# Altium PCB Titanium_v1.0.pcbdoc
Units mm, origin at the board's own origin, x right, y up, seen from the top; angles counter-clockwise.
Board outline 60.05 x 90.05 mm, 2 copper layers (Top Layer, Bottom Layer); 75 components, 82 nets, 379 pads, 0 vias.
Unrouted connection lines stored in the file: 165.
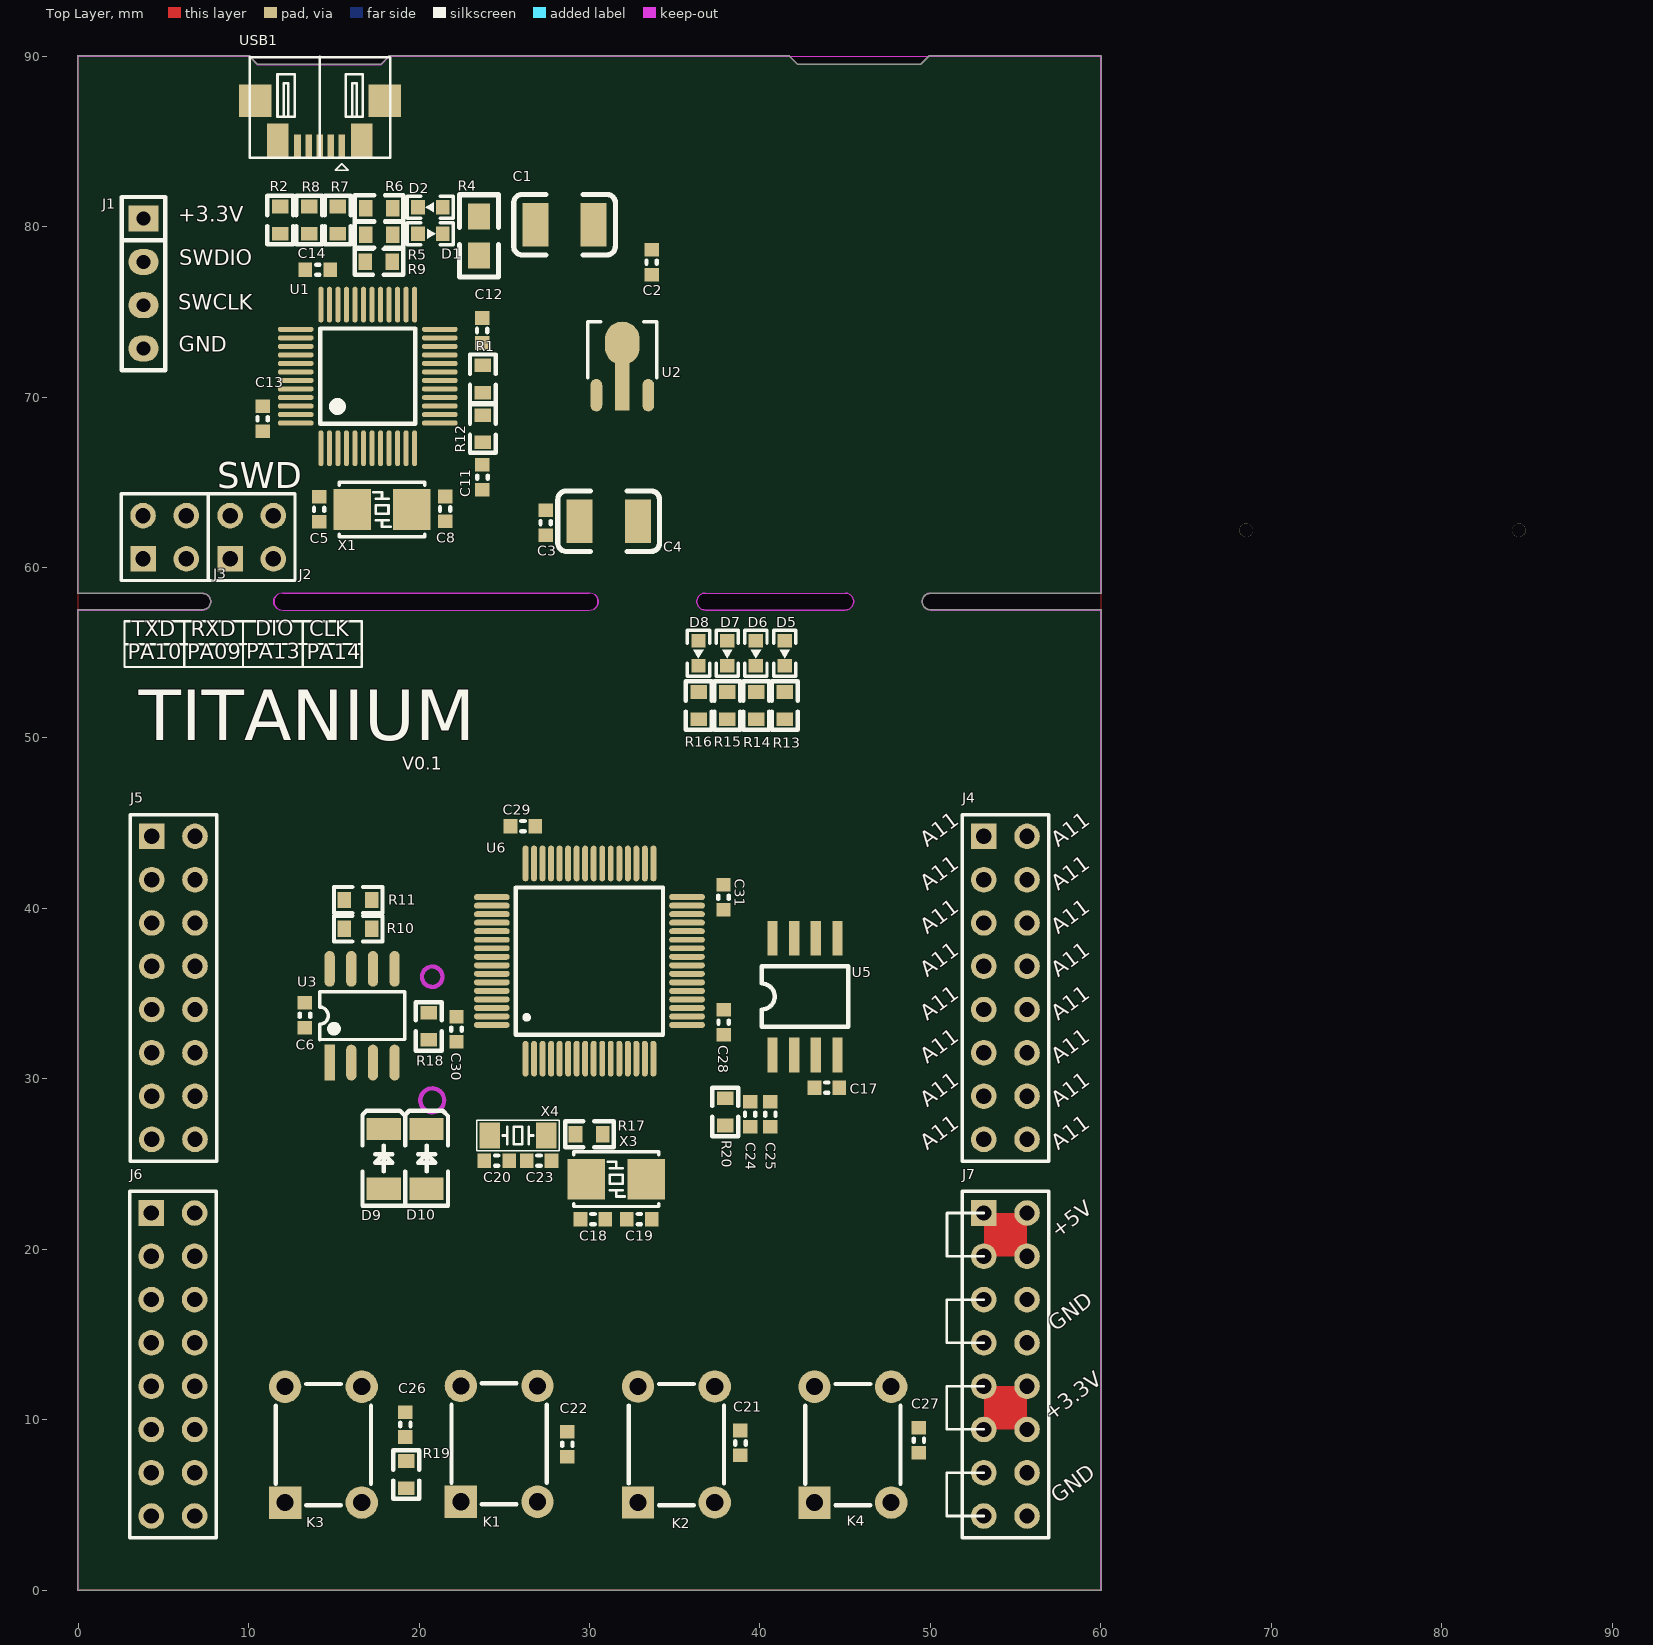
[diagram p0: Top Layer view]
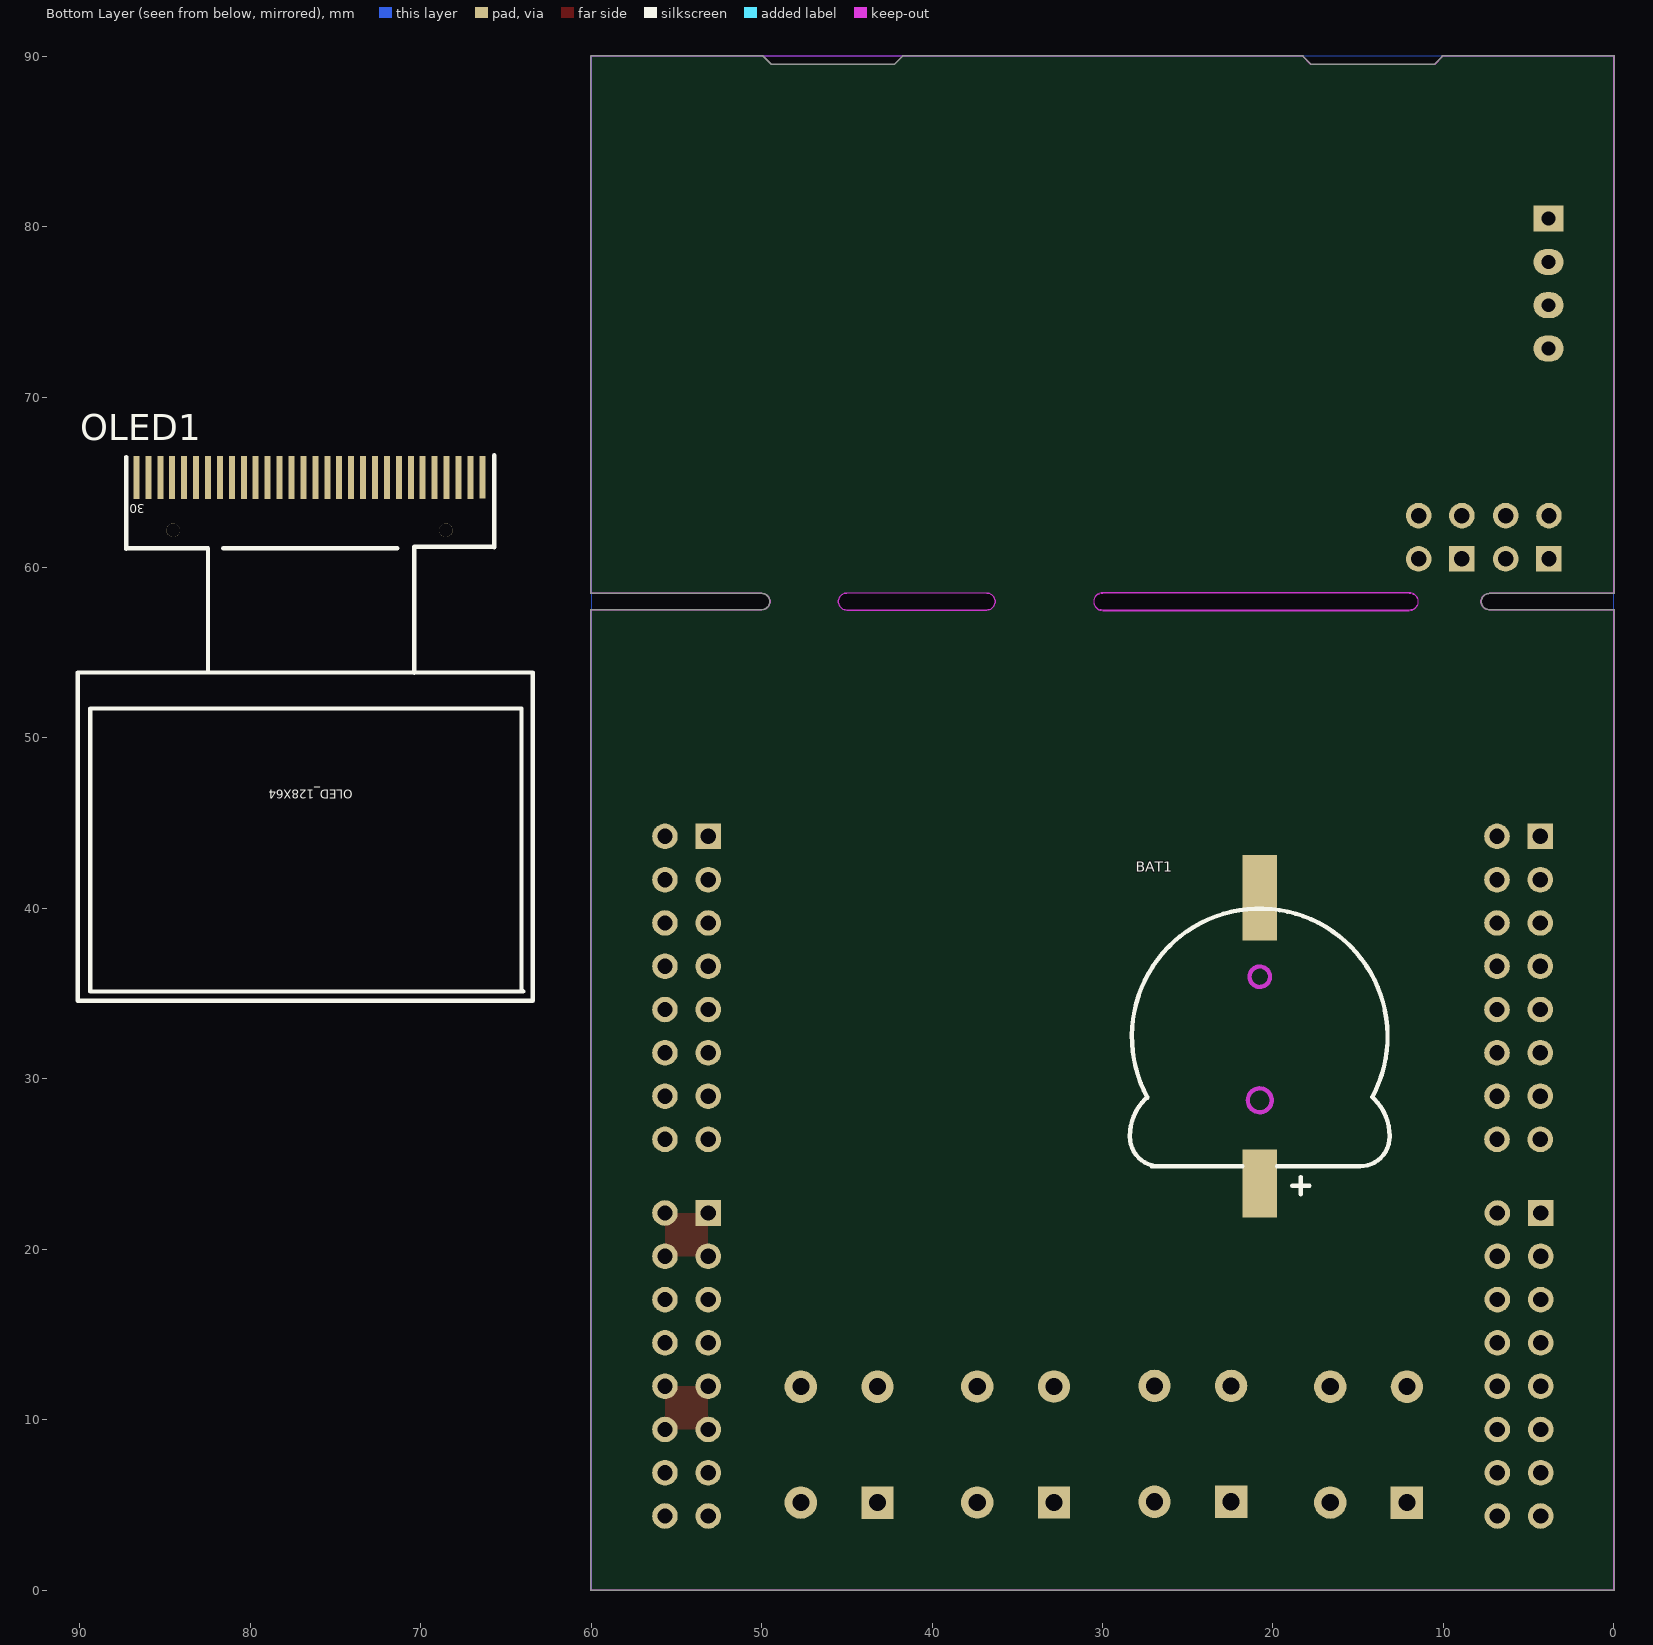
[diagram p1: Bottom Layer view, seen from below]

## Layer stack, top to bottom
Top Solder: solder mask 0.0254, SM-001, Dk 4
Top Layer: signal copper 0.0356
Dielectric 1: dielectric 0.32, FR-4, Dk 4.8
Bottom Layer: signal copper 0.0356
Bottom Solder: solder mask 0.0254, SM-001, Dk 4

## Board outline
-0.026,0 -0.026,57.498 cw(c0,57.498) 0,57.523 7.298,57.523 cw(c7.3,57.498) 7.3,57.523 ccw(c7.3,57.998) 7.774,57.998 ccw(c7.3,57.998) 7.3,58.472 cw(c7.3,58.498) 7.298,58.472 0,58.472 cw(c0,58.498) -0.026,58.498 -0.026,90 cw(c0,90) 0,90.026 10.058,90.026 cw(c10.058,90) 10.084,90 10.084,89.968 10.526,89.526 17.769,89.526 18.237,89.993 18.237,90 cw(c18.263,90) 18.263,90.026 41.689,90.026 cw(c41.689,90) 41.698,90.024 cw(c41.707,90) 41.733,90 41.733,89.993 42.2,89.526 49.443,89.526 49.936,90.018 ccw(c49.954,90) 49.935,90.018 49.936,90.018 cw(c49.954,90) 49.954,90.026 60,90.026 cw(c60,90) 60.026,90 60.026,58.5 cw(c60,58.5) 60,58.474 50.002,58.474 cw(c50,58.5) 50,58.474 ccw(c50,58) 50,57.526 cw(c50,57.5) 50.002,57.526 60,57.526 cw(c60,57.5) 60.026,57.5 60.026,0 cw(c60,0) 60,-0.026 0,-0.026 cw(c0,0)
cut-out: 36.805,57.5 cw(c36.805,58) 36.805,58.5 45,58.5 cw(c45,58) 45,57.5
cut-out: 12,57.472 cw(c12,57.998) 12,58.523 cw(c12,58.498) 12.002,58.523 13.35,58.523 cw(c13.36,58.5) 13.371,58.523 29.998,58.523 cw(c30,58.498) 30,58.523 cw(c30,57.998) 30.526,57.998 cw(c30,57.998) 30,57.472 cw(c30,57.498) 29.998,57.472 12.002,57.472 cw(c12,57.498)

## Design rules (kind name [scope] priority, off if disabled: settings)
Clearance Clearance_1 [InPolygon] p1: gap=0.152 ignorepadtopadclearanceinfootprint=FALSE except(0: Arc-Hole Track-Hole SMDPad-Hole THPad-Hole Via-Hole Fill-Hole Poly-Hole Region-Hole Text-Hole)
Clearance [All] p2: gap=0.102 ignorepadtopadclearanceinfootprint=FALSE except(0: Arc-Hole Track-Hole SMDPad-Hole THPad-Hole Via-Hole Fill-Hole Poly-Hole Region-Hole Text-Hole)
PolygonConnect PolygonConnect_1 [All vs IsVia and InNet('GND')] p1: connectstyle=Direct reliefconductorwidth=0.254 reliefentries=4 polygonreliefangle="90 Angle" airgapwidth=0.254
PolygonConnect [All] p2: connectstyle=Relief reliefconductorwidth=0.254 reliefentries=4 polygonreliefangle="90 Angle" airgapwidth=0.254
RoutingVias [All] p1: holewidth=0.711 width=1.27 viastyle="Through Hole" minholewidth=0.711 minwidth=1.27 maxholewidth=0.711 maxwidth=1.27
SolderMaskExpansion [All] p1: expansion=0.102 istentingtop=FALSE
Width [All] p1: maxlimit=2.54 minlimit=0.152 preferedwidth=0.254
30 further rules are at their usual default settings.

## Components (designator, comment, footprint, x,y, rotation, side; value= is the part's Value field where it differs from the comment)
BAT1 "CR1220" CR1220-A 20.777,23.851 r270 bottom locked
C1 "10uF" 1210C 26.822,80.112 r0 top
C2 "104" 0603C 33.706,77.089 r90 top
C3 "104" 0603C 27.375,63.454 r270 top
C4 "10uF" 1210C 29.413,62.713 r0 top
C5 "22pF" 0603C 14.199,62.586 r90 top
C6 "104" 0603C 13.367,32.901 r90 top
C8 "22pF" 0603C 21.59,62.611 r90 top
C11 "104" 0603C 23.667,66.121 r270 top
C12 "104" 0603C 23.647,74.727 r270 top
C13 "104" 0603C 10.877,67.902 r90 top
C14 "104" 0603C 13.241,77.413 r0 top
C17 "104" 0603C 44.755,29.54 r180 top
C18 "22pF" 0603C 31.031,21.825 r180 top
C19 "22pF" 0603C 32.101,21.711 r0 top
C20 "12pF" 0603C 25.379,25.254 r180 top
C21 "104" 0603C 38.919,7.805 r90 top
C22 "104" 0603C 28.759,7.729 r90 top
C23 "12pF" 0603C 26.22,25.14 r0 top
C24 "10uF" 0603C 39.483,27.092 r90 top
C25 "104" 0603C 40.676,27.092 r90 top
C26 "104" 0603C 19.145,10.533 r270 top
C27 "104" 0603C 49.384,7.971 r90 top
C28 "104" 0603C 37.928,32.494 r90 top
C29 "104" 0603C 26.924,44.882 r180 top
C30 "104" 0603C 22.143,33.736 r270 top
C31 "104" 0603C 37.922,39.827 r90 top
D1 "LED" LED-0603B 19.939,79.578 r0 top
D2 "LED" LED-0603B 21.399,81.128 r180 top
D5 "LED" LED-0603B 41.453,55.691 r270 top
D6 "LED" LED-0603B 39.768,55.691 r270 top
D7 "LED" LED-0603B 38.083,55.691 r270 top
D8 "LED" LED-0603B 36.398,55.691 r270 top
D9 "DIODE" LL34 17.932,23.546 r90 top
D10 "DIODE" LL34 20.447,23.546 r90 top
J1 "Pin HDR1X4" "Pin HDR1X4/2.54mm-S" 3.835,80.467 r0 top
J2 "Pin HDR2X2" "Pin HDR2X2/2.54mm-S" 8.915,60.503 r0 top
J3 "Pin HDR2X2" "Pin HDR2X2/2.54mm-S" 3.808,60.503 r0 top
J4 "Pin HDR2X8" "Pin HDR2X8/2.54mm-S" 53.137,44.221 r270 top locked
J5 "Pin HDR2X8" "Pin HDR2X8/2.54mm-S" 4.318,44.221 r270 top locked
J6 "Pin HDR2X8" "Pin HDR2X8/2.54mm-S" 4.293,22.123 r270 top locked
J7 "Pin HDR2X8" "Pin HDR2X8/2.54mm-S" 53.137,22.123 r270 top locked
K1 "KEY" DIP-6X6X5 22.454,5.182 r90 top
K2 "KEY" DIP-6X6X5 32.851,5.138 r90 top
K3 "KEY" DIP-6X6X5 12.141,5.131 r90 top
K4 "KEY" DIP-6X6X5 43.205,5.131 r90 top
OLED1 "QG-2864KLBEG01" OLED-SMD_QG-2864XXX 76.531,65.279 r0 bottom
R1 "1K" 0603R 23.749,71.856 r270 top
R2 "1.5K" 0603R 11.862,81.178 r270 top
R4 "MSMD200-8V 2A" 0805R 23.52,80.594 r270 top
R5 "510" 0603R 16.866,79.527 r0 top
R6 "510" 0603R 16.866,81.077 r0 top
R7 "22" 0603R 15.24,81.178 r270 top
R8 "22" 0603R 13.564,81.178 r270 top
R9 "120" 0603R 18.44,77.927 r180 top
R10 "4.7k" 0603R 17.221,38.811 r180 top
R11 "4.7k" 0603R 17.221,40.488 r180 top
R12 "1K" 0603R 23.749,68.936 r270 top
R13 "510" 0603R 41.465,52.693 r270 top
R14 "510" 0603R 39.78,52.694 r270 top
R15 "510" 0603R 38.095,52.693 r270 top
R16 "510" 0603R 36.41,52.694 r270 top
R17 "1M" 0603R 30.785,26.746 r180 top
R18 "0R" 0603R 20.574,32.283 r90 top
R19 "10K" 0603R 19.253,7.569 r270 top
R20 "10R" 0603R 37.973,27.254 r90 top
U1 "STM32F103C8" "LQFP48 7X7" 16.993,71.222 r0 top locked
U2 "AMS1117-3V3" SOT89 31.928,70.104 r0 top
U3 "AT24C02" SOP8 14.757,30.949 r90 top
U5 "W25Q128" SOIC8 40.742,31.394 r90 top
U6 "STM32F103RCT6" "LQFP64 10x10" 30,36.906 r0 top locked
USB1 "Micro-USB" USB-MICRO_A 15.469,84.709 r180 top locked
X1 "8MHz" "OSC 5032-2P" 17.831,63.398 r180 top
X3 "8MHz" "OSC 5032-2P" 31.572,24.105 r180 top
X4 "32.768KHz" "OSC 3215-2P" 25.806,26.67 r0 top

## Footprints (in the part's own frame and the unit in brackets; to place one, negate y for a bottom-side part, rotate by r counter-clockwise, add the part's x,y. Pads: shape width x height; smd on the part's side, far side on the other; paste and mask are expansions set on the pad)
0603C [mm]
  rect 0.8x0.85 smd: 1(0.094,0.057) 2(1.554,0.057)
  silkscreen extent 0.72,-0.24 0.92,0.36, body extent 0.02,-0.34 1.62,0.46, height 0.38
0603R [mm]
  rect 0.8x0.965 smd: 1(0,0) 2(1.6,0)
  silkscreen extent -0.64,-0.76 2.21,0.76, body extent -0.04,-0.41 1.56,0.41, height 0.45
0805R [mil]
  rect 60x50 smd: 1(0,0) 2(90,0)
  silkscreen extent -50,-45 140,45, body extent 1,-25 80,25, height 15
1210C [mil]
  rect 60x100 smd: 1(0,0) 2(135,0)
  silkscreen extent -50,-70 185,70, body extent -9,-49 149,49, height 67
CR1220-A [mm]
  rect 4x2 smd: 1(0,0)
  rect 5x2 smd: 2(-16.764,0)
  Keep-Out Layer circle w0.254: c-4.886,0 r0.7
  Keep-Out Layer circle w0.254: c-12.136,0 r0.6
  silkscreen extent -16.13,-7.62 0.64,7.62, body extent -18.77,-7.37 0.99,7.53, height 4.05
DIP-6X6X5 [mm]
  rect 1.9x1.9 hole 1: 1(0,0)
  round 1.9 hole 1: 2(0,-4.5) 3(6.8,-4.5) 4(6.8,0)
  silkscreen extent -0.16,-5.04 6.96,0.54, body extent -0.8,-5.24 7.41,0.76, height 4.95
LED-0603B [mm]
  rect 0.8x0.85 smd: A(0,0) K(1.46,0)
  silkscreen extent -0.62,-0.65 2.08,0.65, body extent -0.08,-0.4 1.54,0.4, height 0.6
LL34 [mm] "玻封二极管"
  rect 1.3x2 smd: A(0,0) K(3.5,0)
  silkscreen extent -1,-1.25 4.57,1.25, body extent -0.1,-0.75 3.4,0.75, height 1.5
"LQFP48 7X7" [mm]
  oval 0.3x2.1 smd: 1(-2.75,-4.227) 2(-2.25,-4.227) 3(-1.75,-4.227) 4(-1.25,-4.227) 5(-0.75,-4.227) 6(-0.25,-4.227) 7(0.25,-4.227) 8(0.75,-4.227) 9(1.25,-4.227) 10(1.75,-4.227) 11(2.25,-4.227) 12(2.75,-4.227) 25(2.75,4.202) 26(2.25,4.202) 27(1.75,4.202) 28(1.25,4.202) 29(0.75,4.202) 30(0.25,4.202) 31(-0.25,4.202) 32(-0.75,4.202) 33(-1.25,4.202) 34(-1.75,4.202) 35(-2.25,4.202) 36(-2.75,4.202)
  oval 2.1x0.3 smd: 13(4.227,-2.75) 14(4.227,-2.25) 15(4.227,-1.75) 16(4.227,-1.25) 17(4.227,-0.75) 18(4.227,-0.25) 19(4.227,0.25) 20(4.227,0.75) 21(4.227,1.25) 22(4.227,1.75) 23(4.227,2.25) 24(4.227,2.75) 37(-4.227,2.75) 38(-4.227,2.25) 39(-4.227,1.75) 40(-4.227,1.25) 41(-4.227,0.75) 42(-4.227,0.25) 43(-4.227,-0.25) 44(-4.227,-0.75) 45(-4.227,-1.25) 46(-4.227,-1.75) 47(-4.227,-2.25) 48(-4.227,-2.75)
  silkscreen extent -2.79,-2.79 2.79,2.79, body extent -4.51,-4.5 4.5,4.5, height 1.45
"LQFP64 10x10" [mm]
  oval 0.35x2.1 smd: 1(-3.75,-5.727) 2(-3.25,-5.727) 3(-2.75,-5.727) 4(-2.25,-5.727) 5(-1.75,-5.727) 6(-1.25,-5.727) 7(-0.75,-5.727) 8(-0.25,-5.727) 9(0.25,-5.727) 10(0.75,-5.727) 11(1.25,-5.727) 12(1.75,-5.727) 13(2.25,-5.727) 14(2.75,-5.727) 15(3.25,-5.727) 16(3.75,-5.727) 33(3.75,5.727) 34(3.25,5.727) 35(2.75,5.727) 36(2.25,5.727) 37(1.75,5.727) 38(1.25,5.727) 39(0.75,5.727) 40(0.25,5.727) 41(-0.25,5.727) 42(-0.75,5.727) 43(-1.25,5.727) 44(-1.75,5.727) 45(-2.25,5.727) 46(-2.75,5.727) 47(-3.25,5.727) 48(-3.75,5.727)
  oval 2.1x0.35 smd: 17(5.727,-3.75) 18(5.727,-3.25) 19(5.727,-2.75) 20(5.727,-2.25) 21(5.727,-1.75) 22(5.727,-1.25) 23(5.727,-0.75) 24(5.727,-0.25) 25(5.727,0.25) 26(5.727,0.75) 27(5.727,1.25) 28(5.727,1.75) 29(5.727,2.25) 30(5.727,2.75) 31(5.727,3.25) 32(5.727,3.75) 49(-5.727,3.75) 50(-5.727,3.25) 51(-5.727,2.75) 52(-5.727,2.25) 53(-5.727,1.75) 54(-5.727,1.25) 55(-5.727,0.75) 56(-5.727,0.25) 57(-5.727,-0.25) 58(-5.727,-0.75) 59(-5.727,-1.25) 60(-5.727,-1.75) 61(-5.727,-2.25) 62(-5.727,-2.75) 63(-5.727,-3.25) 64(-5.727,-3.75)
  silkscreen extent -4.32,-4.32 4.32,4.32, body extent -6,-5.99 6,6.02, height 1.45
OLED-SMD_QG-2864XXX [mm]
  rect 0.351x2.499 smd: 1(-10.149,-0.002) 2(-9.444,0) 3(-8.744,0) 4(-8.044,0) 5(-7.344,0) 6(-6.644,0) 7(-5.944,0) 8(-5.244,0) 9(-4.544,0) 10(-3.844,0) 11(-3.144,0) 12(-2.444,0) 13(-1.744,0) 14(-1.044,0) 15(-0.344,0) 16(0.356,0) 17(1.056,0) 18(1.756,0) 19(2.456,0) 20(3.156,0) 21(3.856,0) 22(4.556,0) 23(5.256,0) 24(5.956,0) 25(6.656,0) 26(7.356,0) 27(8.056,0) 28(8.751,0.001) 29(9.45,0.002) 30(10.149,0.002)
  round 0.8 hole 0.8 unplated: ""(-8,3.1) ""(8,3.1)
  silkscreen extent -13.1,-1.3 13.6,30.7
"OSC 3215-2P" [mm]
  rect 1.2x1.5 smd: 1(-1.65,0) 2(1.65,0)
  silkscreen extent -2.41,-0.89 2.41,0.89, body extent -1.47,-0.76 1.73,0.74, height 0.61
"OSC 5032-2P" [mm]
  rect 2.2x2.4 smd: 1(-1.75,0) 2(1.75,0)
  silkscreen extent -2.5,-1.6 2.5,1.6, body extent -2.5,-1.52 2.5,1.68, height 0.86
"Pin HDR1X4/2.54mm-S" [mil]
  rect 70x60 hole 32: 1(0,0)
  oval 70x60 hole 32: 2(0,-100) 3(0,-200) 4(0,-300)
  silkscreen extent -50,-350 50,50, body extent -50,-350 50,50, height 336
"Pin HDR2X2/2.54mm-S" [mm] "Connector; Header; 2x2 Position"
  rect 1.5x1.5 hole 0.9: 1(0,0)
  round 1.5 hole 0.9: 2(0,2.54) 3(2.54,0) 4(2.54,2.54)
  silkscreen extent -1.27,-1.27 3.81,3.81, body extent -1.27,-1.27 3.81,3.81, height 7.58
"Pin HDR2X8/2.54mm-S" [mm] "Connector; Header; 8x2 Position"
  rect 1.5x1.5 hole 0.9: 1(0,0)
  round 1.5 hole 0.9: 2(0,2.54) 3(2.54,0) 4(2.54,2.54) 5(5.08,0) 6(5.08,2.54) 7(7.62,0) 8(7.62,2.54) 9(10.16,0) 10(10.16,2.54) 11(12.7,0) 12(12.7,2.54) 13(15.24,0) 14(15.24,2.54) 15(17.78,0) 16(17.78,2.54)
  silkscreen extent -1.27,-1.27 19.05,3.81, body extent -1.27,-1.27 19.05,3.81, height 7.58
SOIC8 [mil]
  rect 80x24 smd: 1(0,0) 2(0,-50.06) 3(0,-100.06) 4(0,-150.06) 5(270,-150) 6(270,-100) 7(270,-50) 8(270,0)
  silkscreen extent 65,-175 205,25, body extent 13,-174 257,23, height 69
SOP8 [mm]
  rect 2.1x0.6 smd: 1(0,0)
  oval 2.1x0.6 smd: 2(0,-1.27) 3(0,-2.54) 4(0,-3.81) 5(5.5,-3.81) 6(5.5,-2.54) 7(5.5,-1.27) 8(5.5,0)
  silkscreen extent 1.35,-4.41 4.15,0.6, body extent -0.36,-4.37 5.64,0.63, height 1.9
SOT89 [mil]
  oval 27.56x74.8 smd: 1(-60,0) 3(60,0)
  rect 34x120 smd: 2(0,25)
  oval 80x100 smd: 2(0,120)
  silkscreen extent -80,40 80,170, body extent -89,-13 89,156, height 59
USB-MICRO_A [mm]
  rect 1.9x1.9 smd: 0(-2.515,-2.667) 0(5.08,-2.667)
  rect 1.25x2 smd: 0(-1.168,-0.33) 0(3.759,-0.33)
  rect 0.4x1.4 smd: 1(0,0) 2(0.648,0) 3(1.295,0) 4(1.943,0) 5(2.591,0)
  silkscreen extent -2.84,-5.24 5.41,1.4, body extent -2.71,-5.08 5.25,0.34, height 2.69

## Part data
C1 C2 C3 C4 C5 C6 C8 C11 C12 C13 C14 C17 C18 C19 C20 C21 C22 C23 C24 C25 C26 C27 C28 C29 C30 C31: library part CAP, "无极性电容"
D9 D10: "普通二极管"
R1 R2 R5 R6 R7 R8 R9 R10 R11 R12 R13 R14 R15 R16 R17 R18 R19 R20: library part RES
R4: library part FU, "贴片保险丝"
U1: "Flaah:64/RAM:20/IO:36"
U2: library part AMS1117, "三端稳压芯片"
X1 X3 X4: library part XTAL-2P, "2脚无源脚晶振"

## Nets (pads, with @x,y where several pads share a name; then routed paths per layer and width w, separated by ;. In a path a pad name is that pad's centre, name@x,y a point inside that pad or via, vN(x,y) a via of type N, cw(c..) or ccw(c..) an arc to the next point about the centre after c; other vN are vias at no path point)
+3.3V: C3.2 C4.2 C6.2 C12.1 C13.1 C14.1 C17.2 C22.1 C28.2 C29.2 C30.2 C31.2 D2.A D5.A D6.A D7.A D8.A D9.A J1.1 J7.9 J7.10 J7.11 J7.12 K1.1 R1.2 R2.2 R10.2 R11.2 R12.1 R19.2 R20.1 U1.1 U1.9 U1.24 U1.36 U1.48 U2.2 U3.8 U5.3 U5.7 U5.8 U6.19 U6.32 U6.48 U6.64
+5V: C1.2 C2.2 J7.1 J7.2 J7.3 J7.4 U2.3 USB1.1
BAT: BAT1.1 D10.A
CDC_RX: J3.4 U1.13
CDC_TX: J3.2 U1.12
GND: BAT1.2 C1.1 C2.1 C3.1 C4.1 C5.2 C6.1 C8.2 C11.2 C12.2 C13.2 C14.2 C17.1 C18.1 C19.1 C20.1 C21.1 C23.1 C24.1 C25.1 C26.1 C27.1 C28.1 C29.1 C30.1 C31.1 D1.K J1.4 J4.14 J4.16 J6.2 J6.4 J6.16 J7.5 J7.6 J7.7 J7.8 J7.13 J7.14 J7.15 J7.16 K2.1 K3.1 K4.1 R4.2 R18.1 U1.8 U1.23 U1.35 U1.44 U1.47 U2.1 U3.1 U3.2 U3.3 U3.4 U3.7 U5.4 U6.12 U6.18 U6.31 U6.47 U6.63
I2C1_SCL: J5.13 R10.1 U3.6 U6.58
I2C1_SDA: J5.15 R11.1 U3.5 U6.59
KEY0: C21.2 J6.11 K2.3 U6.25
KEY1: C27.2 J4.12 K4.3 U6.50
LED1: J5.10 R13.2 U6.33
LED2: J5.12 R14.2 U6.34
LED3: J5.14 R15.2 U6.35
LED4: J5.16 R16.2 U6.36
NetC5_1: C5.1 U1.5 X1.2
NetC8_1: C8.1 U1.6 X1.1
NetC11_1: C11.1 R12.2 U1.7
NetC18_2: C18.2 R17.2 U6.5 X3.2
NetC19_2: C19.2 R17.1 U6.6 X3.1
NetC20_2: C20.2 U6.3 X4.1
NetC23_2: C23.2 U6.4 X4.2
NetC24_2: C24.2 C25.2 R20.2 U6.13
NetD1_A: D1.A R5.2
NetD2_K: D2.K R6.2
NetD5_K: D5.K R13.1
NetD6_K: D6.K R14.1
NetD7_K: D7.K R15.1
NetD8_K: D8.K R16.1
NetD9_K: D9.K D10.K U6.1
NetR1_1: R1.1 U1.18
NetR5_1: R5.1 R6.1 U1.30
NetR7_2: R7.2 U1.32
NetR8_2: R8.2 U1.33
NetR9_1: R9.1 U1.25
NetR18_2: R18.2 U6.60
PA0: C22.2 J4.1 K1.3 U6.14
PA1: J4.3 U6.15
PA2: J4.5 U6.16
PA3: J4.7 U6.17
PA4: J4.9 U5.1 U6.20
PA5: J4.11 U5.6 U6.21
PA6: J4.13 U5.2 U6.22
PA7: J4.15 U5.5 U6.23
PA8: J4.2 U6.41
PA9: J3.3 U6.42
PA10: J3.1 U6.43
PA11: J4.8 U6.44
PA12: J4.10 U6.45
PB0: J5.1 U6.26
PB1: J5.3 U6.27
PB2: J5.5 U6.28
PB3: J5.7 U6.55
PB4: J5.9 U6.56
PB5: J5.11 U6.57
PB8: J5.2 U6.61
PB9: J5.4 U6.62
PB10: J5.6 U6.29
PB11: J5.8 U6.30
PC0: J6.1 U6.8
PC1: J6.3 U6.9
PC2: J6.5 U6.10
PC3: J6.7 U6.11
PC4: J6.9 U6.24
PC6: J6.13 U6.37
PC7: J6.15 U6.38
PC8: J4.4 U6.39
PC9: J4.6 U6.40
PC10: J6.6 U6.51
PC11: J6.8 U6.52
PC12: J6.10 U6.53
PC13: J6.12 U6.2
PD2: J6.14 U6.54
RESET: C26.2 K3.3 R19.1 U6.7
STM_SWCLK: J1.3 U1.37
STM_SWDIO: J1.2 U1.34
SWCLK: J2.3 U6.49
SWDIO: J2.1 U6.46
T_SWCLK: J2.4 U1.26
T_SWDIO: J2.2 R9.2 U1.27
USB-: R4.1 USB1.5
USB_DM: R7.1 USB1.2
USB_DP: R2.1 R8.1 USB1.3
pads on no net: K1.2 K1.4 K2.2 K2.4 K3.2 K3.4 K4.2 K4.4 OLED1. OLED1.1 OLED1.2 OLED1.3 OLED1.4 OLED1.5 OLED1.6 OLED1.7 OLED1.8 OLED1.9 OLED1.10 OLED1.11 OLED1.12 OLED1.13 OLED1.14 OLED1.15 OLED1.16 OLED1.17 OLED1.18 OLED1.19 OLED1.20 OLED1.21 OLED1.22 OLED1.23 OLED1.24 OLED1.25 OLED1.26 OLED1.27 OLED1.28 OLED1.29 OLED1.30 U1.2 U1.3 U1.4 U1.10 U1.11 U1.14 U1.15 U1.16 U1.17 U1.19 U1.20 U1.21 U1.22 U1.28 U1.29 U1.31 U1.38 U1.39 U1.40 U1.41 U1.42 U1.43 U1.45 U1.46 USB1.0 USB1.4

## Polygon pours and split planes (outlines as drawn)
GND on Top Layer "GND" (solid, remove dead copper, shelved, pour order 0): 0,90 60,90 60,0 0,0
GND on Bottom Layer "GND" (solid, remove dead copper, shelved, pour order 2): 0,90 60,90 60,0 0,0

## Keep-outs
Keep-Out Layer:
  lines w0.051: 13.36,58.5 13.363,58.498 ; 41.689,90 18.263,90 18.263,89.983 17.78,89.5 10.516,89.5 10.058,89.957 10.058,90 0,90 0,58.498 5.594,58.498 7.3,58.498 cw(c7.3,57.998) 7.3,57.498 5.598,57.498 0,57.498 0,0 60,0 60,57.5 50,57.5 cw(c50,58) 50,58.5 60,58.5 60,90 49.954,90 ; 41.707,89.992 41.707,90 41.707,89.983 41.724,90 49.954,90 ; 49.962,90 49.954,90 ; 13.363,58.498 12,58.498 ccw(c12,57.998) 12,57.498 13.363,57.498 30,57.498 ccw(c30,57.998) 30,58.498 13.363,58.498 ; 36.805,57.5 cw(c36.805,58) 36.805,58.5 45,58.5 cw(c45,58) 45,57.5 36.805,57.5

## Other copper
Top Layer:
  rectangle net +3.3V: 53.137,9.423 55.677,11.963
  rectangle net +5V: 53.137,19.583 55.677,22.123
  pour cut-out: 29.591,27.178 30.328,27.178 30.328,26.111 30.074,26.111 29.591,26.111

## Silkscreen, mask and mechanical layers (free items; w line width, h text height)
Top Overlay:
  lines w0.127: 6.223,54.153 6.223,55.474 ; 6.223,54.153 2.718,54.153 2.718,55.474 3.226,55.474 6.223,55.474 ; 6.223,54.153 9.677,54.153 ; 6.223,55.474 9.677,55.474 9.677,54.153 ; 6.223,55.499 9.677,55.499 ; 6.223,55.499 2.718,55.499 2.718,56.845 3.226,56.845 6.223,56.845 ; 6.223,55.499 6.223,56.845 ; 6.223,56.845 9.677,56.845 ; 9.677,54.153 9.677,55.499 ; 9.677,54.153 13.183,54.153 ; 9.677,55.499 10.185,55.499 13.183,55.499 ; 9.677,55.499 13.183,55.499 ; 9.677,55.499 9.677,56.845 ; 9.677,55.499 9.677,56.845 ; 9.677,56.845 10.185,56.845 13.183,56.845 ; 13.183,54.153 16.637,54.153 16.637,55.499 ; 13.183,54.153 13.183,55.499 ; 13.183,55.499 16.637,55.499 ; 13.183,55.499 13.183,56.845 ; 13.183,55.499 16.637,55.499 ; 13.183,56.845 16.637,56.845 16.637,55.499
  lines w0.152: 50.952,17.018 50.952,14.503 53.137,14.503 ; 50.978,17.043 53.137,17.043 ; 53.137,4.343 51.714,4.343 50.952,4.343 50.952,5.613 50.952,6.883 53.137,6.883 ; 53.137,9.423 50.952,9.423 50.952,11.963 53.137,11.963 ; 53.137,19.583 50.978,19.583 50.978,22.123 53.137,22.123
  text "+3.3V" at 5.859,79.976 h1.52
  text "SWDIO" at 5.936,77.436 h1.52
  text "SWCLK" at 5.859,74.82 h1.52
  text "GND" at 5.91,72.356 h1.52
  text "SWD" at 8.153,64.643 h1.52
  text "DIO" at 10.389,55.702 h1.52
  text "TXD" at 3.15,55.677 h1.52
  text "RXD" at 6.604,55.677 h1.52
  text "CLK" at 13.564,55.677 h1.52
  text "PA13" at 9.873,54.348 h1.52
  text "PA10" at 2.915,54.321 h1.52
  text "PA09" at 6.401,54.331 h1.52
  text "PA14" at 13.411,54.331 h1.52
  text "TITANIUM" at 3.556,48.895 h5.08
  text "V0.1" at 19.025,47.854 h1.27
  text "A11" at 49.987,43.307 h1.52 r37.04
  text "A11" at 57.683,43.307 h1.52 r37.04
  text "A11" at 49.987,40.767 h1.52 r37.04
  text "A11" at 57.683,40.767 h1.52 r37.04
  text "A11" at 49.987,38.227 h1.52 r37.04
  text "A11" at 57.683,38.227 h1.52 r37.04
  text "A11" at 49.987,35.687 h1.52 r37.04
  text "A11" at 57.683,35.687 h1.52 r37.04
  text "A11" at 49.987,33.147 h1.52 r37.04
  text "A11" at 57.683,33.147 h1.52 r37.04
  text "A11" at 49.987,30.607 h1.52 r37.04
  text "A11" at 57.683,30.607 h1.52 r37.04
  text "A11" at 49.987,28.067 h1.52 r37.04
  text "A11" at 57.683,28.067 h1.52 r37.04
  text "A11" at 49.987,25.527 h1.52 r37.04
  text "A11" at 57.683,25.527 h1.52 r37.04
  text "+5V" at 57.658,20.371 h1.52 r37.04
  text "GND" at 57.531,14.884 h1.52 r37.04
  text "+3.3V" at 57.277,9.652 h1.52 r37.04
  text "GND" at 57.683,4.801 h1.52 r37.04

## Dimensions
0,0 to 0,90 on Top Overlay
60,90 to 0,90 on Top Overlay

## Text inside footprints (layer, text, board x,y; h text height)
OLED1: Bottom Overlay "OLED_128X64" at 73.99,46.967 h0.51 r180; Bottom Overlay "30" at 86.197,63.718 h0.51 r180